# Allegro board 038RT-9068CJK8E-A100_0921_1.brd (continued)
## Routing (per net, layer and track width the routed paths; a pad name or vN(x,y) marks a point on that pad's centre or on a via; arc(x,y) is an arc through that point) (continued)
SLOT0.CH75: length 119.7
  L21_SIGNAL w0.102: v1(283.7,266.22) 283.3,266.62 276.81,266.62
  L21_SIGNAL w0.105: 276.81,266.62 270.19,266.62 267.32,269.49 267.32,270.13 263.51,273.94 263.51,288.16 265.41,290.07 265.41,358.14 271.04,363.77 SLOT0-UP.E19
SLOT0.CH76: length 90.9
  L21_SIGNAL w0.105: SLOT0-UP.D19 277.97,363.73 283.83,363.73 286.5,361.06 286.5,323.09 284.21,320.8 284.21,283.57 v1(284.94,282.84)
  BOTTOM w0.115: v1(284.94,282.84) UNK2RR931.2
SLOT0.CH77: length 114.9
  L21_SIGNAL w0.102: v1(283.7,267.02) 283.3,267.42 276.81,267.42
  L21_SIGNAL w0.105: SLOT0-UP.F19 270.24,360.71 270.24,360.05 266.94,356.74 266.94,290.45 263.89,287.4 263.89,274.07 267.45,270.51 269.22,270.51 272.31,267.42 276.81,267.42
SLOT0.CH79: length 89.9
  L21_SIGNAL w0.105: v1(282.91,279.03) 283.7,279.82 283.7,321.01 285.86,323.17 285.86,357.12 283.45,359.54 277.78,359.54 SLOT0-UP.D17
  BOTTOM w0.115: v1(282.91,279.03) UNK2RR932.2
SLOT0.CH80: length 80.8
  L21_SIGNAL w0.105: v1(274.78,282.84) 274.18,283.44 274.18,285.03 268.59,290.62 268.59,356.11 271.25,358.77 SLOT0-UP.F17
  BOTTOM w0.115: v1(274.78,282.84) UNK2RR534.2
SLOT0.CH81: length 84.2
  L21_SIGNAL w0.105: v1(274.78,279.03) 275.57,279.82 275.57,285.61 269.1,292.09 269.1,354.71 270.15,355.77 SLOT0-UP.E15
  BOTTOM w0.115: v1(274.78,279.03) UNK2RR535.2
SLOT0.CH82: length 81.9
  L21_SIGNAL w0.105: v1(282.91,282.84) 282.3,283.44 282.3,321.59 285.23,324.51 285.23,353.57 283.32,355.47 277.72,355.47 SLOT0-UP.D15
  BOTTOM w0.115: v1(282.91,282.84) UNK2RR934.2
SLOT0.CH83: length 77.1
  L21_SIGNAL w0.105: v1(276.81,282.84) 276.21,283.44 276.21,285.88 269.6,292.48 269.6,353.69 270.68,354.77 SLOT0-UP.F15
  BOTTOM w0.115: v1(276.81,282.84) UNK2RR933.2
SLOT0.CH84: length 75.4
  L21_SIGNAL w0.105: v1(278.85,282.84) 278.24,283.44 278.24,285.75 270.62,293.37 270.62,350.9 271.49,351.77 SLOT0-UP.E13
  BOTTOM w0.115: v1(278.85,282.84) UNK2RR530.2
SLOT0.CH85: length 85.1
  L21_SIGNAL w0.105: SLOT0-UP.D13 274.65,352.68 274.05,352.68 273.16,353.57 271.64,353.57 270.11,352.04 270.11,292.98 277.61,285.49 277.61,279.82 v1(276.81,279.03)
  BOTTOM w0.115: v1(276.81,279.03) UNK2RR531.2
SLOT0.CH86: length 497.8
  L44_SIGNAL w0.105: v1(539.66,223.4) 540.5,224.23 540.5,229.11 542.4,231.01 542.4,280.16 540.24,282.32 540.24,322.48 550.49,332.74 550.49,381.63 532.08,400.04 300.63,400.04 291.99,391.4 291.99,354.53 288.95,351.49 275.25,351.49 274.54,350.77 SLOT0-UP.F13
  BOTTOM w0.115: UNK1R327.1 538.49,220.72 539.66,221.9 v1(539.66,223.4)
SLOT0.CH87: length 492.2
  L44_SIGNAL w0.105: v1(539.66,224.93) 538.72,225.87 538.72,244.22 541.95,247.46 541.95,279.5 538.92,282.53 538.92,323.28 548.28,332.65 548.28,380.7 530.09,398.89 302.51,398.89 293.07,389.46 293.07,354.1 288.48,349.51 275.76,349.51 SLOT0-UP.E11
  BOTTOM w0.115: UNK1R328.1 539.12,227.6 539.66,227.06 v1(539.66,224.93)
SLOT0.CH88: length 602
  L44_SIGNAL w0.105: SLOT0-UP.F11 274.92,346.77 275.64,347.49 288.63,347.49 294.09,352.95 294.09,388.69 302.22,396.82 458.62,396.82 462.65,392.79 462.65,326.42 461.53,325.3 426.95,325.3 424.15,328.09 424.15,358.27 422.98,359.45 415.47,359.45 414.83,358.81 412.91,358.81 412.05,359.66 404.83,359.66 397.7,352.53 397.7,331.26 392.65,326.21 385.09,326.21 360.16,301.28 326.27,301.28 322.4,297.4 322.4,270.65 321.65,269.9 321.65,235.05 332.79,223.9 340.94,223.9 v1(343.73,221.11)
SLOT0.CH89: length 603.8
  L44_SIGNAL w0.105: v1(343.73,210.11) 340.86,212.98 337.3,212.98 332.34,217.93 332.34,223.11 321.03,234.42 321.03,297.76 325.46,302.2 359.09,302.2 384.5,327.62 392.06,327.62 396.29,331.84 396.29,353.11 404.95,361.77 412.11,361.77 413.07,360.81 415.1,360.81 415.82,361.53 422.84,361.53 425.48,358.9 425.48,331.51 427.18,329.8 437.03,329.8 438,328.83 439.21,328.83 440.41,327.63 448.22,327.63 449.85,326 459.2,326 460.07,326.87 460.07,391.96 456.58,395.45 302.84,395.45 295.16,387.77 295.16,352.16 288.49,345.5 275.75,345.5 SLOT0-UP.E9
SLOT0.CH90: length 68.2
  L21_SIGNAL w0.105: v1(278.85,279.03) 279.64,279.82 279.64,285.5 271.13,294 271.13,341.6 SLOT0-UP.F9
  BOTTOM w0.115: v1(278.85,279.03) UNK2RR533.2
SLOT0.CH91: length 119.5
  L19_SIGNAL w0.102: 283.3,259.33 283.3,263.42 v1(283.7,263.82)
  L19_SIGNAL w0.105: 283.3,259.33 283.3,257.68 281.39,255.78 268.59,255.78 262.24,262.13 262.24,327.15 261.1,328.3 261.1,335.79 265.07,339.77 SLOT0-UP.E7
SLOT0.CH92: length 112.1
  L19_SIGNAL w0.102: v1(282.9,263.82) 282.5,263.42 282.5,259.33
  L19_SIGNAL w0.105: 282.5,259.33 282.5,258.01 281.91,257.43 268.84,257.43 262.87,263.4 262.87,327.28 261.98,328.17 261.98,334.9 265.85,338.77 SLOT0-UP.F7
SLOT0.CH93: length 77.5
  L19_SIGNAL w0.102: SLOT0-UP.E5 275.75,334.04 275.75,267.92 277.85,265.82 282.4,265.82 282.5,265.72 282.5,265.02 v1(282.9,264.62)
SLOT0.CH94: length 97.1
  L19_SIGNAL w0.102: v1(281.3,263.82) 280.9,264.22 276.81,264.22
  L19_SIGNAL w0.105: SLOT0-UP.F5 271.4,335.66 264.27,335.66 263,334.39 263,327.91 263.64,327.28 263.64,266.45 265.86,264.22 276.81,264.22
SLOT0.CH95: length 72.6
  L19_SIGNAL w0.102: 276.81,265.72 277.51,265.02 280.9,265.02 v1(281.3,264.62)
  L19_SIGNAL w0.105: 276.81,265.72 274.81,267.72 274.81,272.29 275.32,272.8 275.32,330.47 SLOT0-UP.E3
SLOT0.CH96: length 80.5
  L21_SIGNAL w0.102: v1(291.7,208.62) 292.1,209.02 294.32,209.02 295.45,207.89 295.45,195.31 296.12,194.64 296.12,190.51 296.92,189.71 296.92,170.76 275.4,149.24 275.4,143.21 SLOT0-DOWN.E25
SLOT0.CH97: length 95.4
  L21_SIGNAL w0.102: 285.72,213.84 v1(285.3,213.42)
  L21_SIGNAL w0.105: 285.72,213.84 285.96,214.08 293.56,214.08 295.97,211.67 295.97,195.53 296.64,194.86 296.64,190.73 297.44,189.93 297.44,170.55 277.82,150.93 277.82,139.65 SLOT0-DOWN.D24
  BOTTOM w0.115: R110.1 v1(285.3,213.42)
SLOT0.CH98: length 76.7
  L21_SIGNAL w0.102: SLOT0-DOWN.F24 271.59,139.54 271.59,155.89 279.5,163.8 279.5,173.42 286.95,180.87 286.95,183.27 294.03,190.35 294.03,194.97 294.89,195.83 294.89,202.69 294.16,203.42 292.9,203.42 v1(292.5,203.02)
SLOT0.CH99: length 77.7
  L21_SIGNAL w0.102: v1(291.7,200.62) 292.1,201.02 293.64,201.02 294.43,200.23 294.43,196.02 293.57,195.16 293.57,190.68 285.56,182.66 285.56,180.8 279.03,174.27 279.03,163.96 271.19,156.12 271.19,138.52 271.88,137.84 SLOT0-DOWN.E23
SLOT0.CH100: length 122.7
  L21_SIGNAL w0.105: v1(278.85,219.03) 281.78,216.09 293.79,216.09 299.48,210.4 299.48,198.54 308.39,189.63 308.39,172.92 288.44,152.97 288.44,137.95 284.04,133.55 277.84,133.55 SLOT0-DOWN.D22
  BOTTOM w0.115: v1(278.85,219.03) RR533.2
SLOT0.CH101: length 82.4
  L21_SIGNAL w0.102: v1(283.7,204.62) 284.1,205.02 286.33,205.02 286.5,204.85 286.5,198.33
  L21_SIGNAL w0.105: 286.5,198.33 286.5,196.94 289.11,194.32 289.11,186.96 285.1,182.94 285.1,181.31 278.47,174.68 278.47,163.97 270.76,156.26 270.76,136.37 SLOT0-DOWN.F22
SLOT0.CH102: length 434.5
  L34_SIGNAL w0.105: UNK3K181.4 504.34,274.57 500.74,274.57 499.98,273.81 499.98,257.43 502.27,255.14 502.27,241.27 499.98,238.98 499.98,214.93 487.4,202.35 487.4,169.31 476.58,158.49 476.58,95.87 472.41,91.7 297.45,91.7 290.18,98.97 290.18,127 283.34,133.84 SLOT0-DOWN.E21
SLOT0.CH103: length 405.6
  L32_SIGNAL w0.105: SLOT0-DOWN.D20 277.6,129.79 284.72,129.79 288.4,126.11 288.4,100.97 297.92,91.45 498.19,91.45 509.38,102.64 509.38,199.52 500.11,208.79 500.11,229.49 501.25,230.63 504.53,230.63 UNK1K181.4
SLOT0.CH104: length 201.1
  L34_SIGNAL w0.105: UNK2K181.4 184.37,228.58 181.72,225.93 181.72,176.15 193.79,164.08 249.79,164.08 266.3,147.57 266.3,136.83 SLOT0-DOWN.F20
SLOT0.CH105: length 160.8
  L32_SIGNAL w0.105: K181.4 186.65,173.88 205.72,154.81 268.08,154.81 270.24,152.65 270.24,130.94 271.34,129.84 SLOT0-DOWN.E19
SLOT0.CH106: length 138.2
  L21_SIGNAL w0.105: SLOT0-DOWN.D18 277.78,127.61 286.85,127.61 290.22,130.97 290.22,152.73 309.81,172.33 309.81,190.21 302.18,197.84 302.18,209.77 290.24,221.7 275.91,221.7 v1(274.78,222.84)
  BOTTOM w0.115: v1(274.78,222.84) RR534.2
SLOT0.CH107: length 85.9
  L21_SIGNAL w0.102: v1(284.5,203.82) 285.7,202.62 285.7,198.33 285.7,198.33 285.7,196.62 287.19,195.12 287.19,189.69 284.24,186.73 284.24,181 278.13,174.89 278.13,164.25 270.33,156.45 270.33,128.8 SLOT0-DOWN.F18
SLOT0.CH108: length 86
  L21_SIGNAL w0.102: v1(284.5,202.22) 284.9,201.82 284.9,198.6 284.9,198.6
  L21_SIGNAL w0.105: 284.9,198.6 284.9,195.43 282.9,193.43 282.9,180.33 277.81,175.23 277.81,164.57 277.7,164.47 277.69,164.47 269.78,156.55 269.78,127.64 271.58,125.84 SLOT0-DOWN.E17
SLOT0.CH109: length 148.2
  L21_SIGNAL w0.105: SLOT0-DOWN.D16 278.05,121.35 290.37,121.35 292.68,123.66 292.68,152.2 311.96,171.48 311.96,191.08 307.45,195.59 307.45,212.34 295.41,224.38 282.43,224.38 v1(280.88,222.84)
  BOTTOM w0.115: v1(280.88,222.84) RR532.2
SLOT0.CH110: length 87
  L21_SIGNAL w0.102: 283.3,198.6 283.3,198.6 283.3,201.82 v1(282.9,202.22)
  L21_SIGNAL w0.105: SLOT0-DOWN.F16 268.77,126.36 268.77,156.71 275.18,163.12 275.18,183.49 278.67,186.98 278.67,191.94 283.3,196.56 283.3,198.6
SLOT0.CH111: length 89
  L21_SIGNAL w0.102: 284.1,198.6 284.1,198.6 284.1,201.82 v1(283.7,202.22)
  L21_SIGNAL w0.105: SLOT0-DOWN.E15 273.22,122.63 273.22,123.38 272.79,123.81 272.18,123.81 269.26,126.73 269.26,156.64 277.22,164.6 277.22,184.35 280.81,187.93 280.81,192.79 284.1,196.08 284.1,198.6
SLOT0.CH112: length 118.6
  L21_SIGNAL w0.105: v1(310.59,206.53) 312.01,205.1 315.2,205.1 316.21,204.09 316.21,172.87 294.84,151.5 294.84,121.08 291.16,117.4 278,117.4 SLOT0-DOWN.D14
SLOT0.CH113: length 110.1
  L21_SIGNAL w0.102: 276.86,205.82 283.3,205.82 v1(283.7,205.42)
  L21_SIGNAL w0.105: SLOT0-DOWN.F14 270.67,118.84 266.63,122.87 266.63,173.3 262.25,177.68 262.25,197.28 264.91,199.93 264.91,201.73 266.29,203.11 268.09,203.11 271.16,206.18 275.17,206.18 275.53,205.82 276.86,205.82
SLOT0.CH114: length 105.7
  L21_SIGNAL w0.102: v1(280.5,204.62) 280.1,205.02 277.36,205.02 277.36,205.02 276.86,205.02
  L21_SIGNAL w0.105: SLOT0-DOWN.E13 273.31,118.55 273.31,119.29 272.79,119.81 271.47,119.81 267.83,123.46 267.83,173.24 263.38,177.69 263.38,197.27 266.95,200.84 266.95,201.79 267.74,202.58 268.69,202.58 271.13,205.02 276.86,205.02
SLOT0.CH115: length 109.3
  L21_SIGNAL w0.102: 276.86,204.21 277.68,204.21 277.69,204.22 280.1,204.22 v1(280.5,203.82)
  L21_SIGNAL w0.105: SLOT0-DOWN.D12 275.55,115.85 275.55,120.19 274.91,120.83 273.57,120.83 272.75,121.64 270.61,121.64 268.27,123.98 268.27,173.93 263.9,178.3 263.9,196.66 271.46,204.21 276.86,204.21
SLOT0.CH116: length 118.8
  L21_SIGNAL w0.102: v1(283.7,207.02) 283.3,207.42 277.36,207.42 277.35,207.43 276.86,207.43
  L21_SIGNAL w0.105: 276.86,207.43 270.13,207.43 269.23,206.53 265.2,206.53 263.39,204.72 263.39,200.69 260.09,197.39 260.09,177.57 265.92,171.74 265.92,119.74 270.82,114.84 SLOT0-DOWN.F12
SLOT0.CH117: length 117.8
  L21_SIGNAL w0.102: v1(283.7,206.22) 283.3,206.62 277.03,206.62 277.02,206.62 276.86,206.62
  L21_SIGNAL w0.105: 276.86,206.62 270.46,206.62 268.42,204.58 265.26,204.58 264.11,203.43 264.11,200.27 261.69,197.85 261.69,177.1 266.24,172.56 266.24,122.38 270.7,117.92 272.51,117.92 273.11,117.32 273.11,114.75 SLOT0-DOWN.E11
SLOT0.CH118: length 400.9
  L34_SIGNAL w0.105: UNK3K231.5 504.81,265.63 504.81,259.59 506.46,257.94 506.46,234.44 504.81,232.79 504.81,214.93 488.32,198.44 488.32,166.87 478.31,156.86 478.31,95.97 472.99,90.65 293.16,90.65 286.24,97.57 286.24,106.81 283.32,109.73 277.67,109.73 SLOT0-DOWN.D10
SLOT0.CH119: length 380.4
  L32_SIGNAL w0.105: UNK1K231.5 504.81,221.51 504.81,208.41 512.43,200.79 512.43,103.18 499.54,90.29 296.69,90.29 284.72,102.26 284.72,108.2 283.19,109.73 275.83,109.73 274.72,110.84 SLOT0-DOWN.F10
SLOT0.CH120: length 245.7
  L34_SIGNAL w0.105: SLOT0-DOWN.E9 265.05,109.84 262.62,112.27 262.62,148.46 248.9,162.18 189.85,162.18 176.89,175.13 176.89,237.11 178.93,239.14 178.93,268.73 180.08,269.89 UNK2K231.5
SLOT0.CH121: length 197
  L32_SIGNAL w0.105: K231.5 182.44,225.76 181.47,224.79 181.47,174.24 204.96,150.75 266.18,150.75 268.21,148.72 268.21,110.92 SLOT0-DOWN.F8
SLOT0.CH122: length 143.7
  L21_SIGNAL w0.105: K223.3 250.68,223.9 245.98,223.9 244.59,222.5 244.59,184.66 248.94,180.3 251.77,180.3 262.76,169.32 262.76,109.69 264.35,108.1 272.44,108.1 273.22,107.31 273.22,106.63 SLOT0-DOWN.E7
SLOT0.CH123: length 132.6
  L21_SIGNAL w0.105: v1(223.73,203) 223.73,200.11 225.32,198.53 230.62,198.53 238.07,191.07 238.07,181.71 242.02,177.76 250.3,177.76 261.3,166.76 261.3,106.38 264.84,102.84 SLOT0-DOWN.F6
SLOT0.CH124: length 202.3
  L21_SIGNAL w0.105: SLOT0-DOWN.E5 273.38,102.48 273.06,102.48 272.69,102.11 264.18,102.11 262.1,104.19 262.09,104.19 260.8,105.48 260.8,166.13 250.29,176.64 217.79,176.64 197.34,197.09 197.34,229.39 K10.5
  BOTTOM w0.115: CD177.1 K10.5
SLOT0.CH125: length 202.1
  L21_SIGNAL w0.105: K9.8 192.13,239.83 192.13,197.99 215.72,174.41 248.73,174.41 259.25,163.88 259.25,102.82 263.24,98.84 SLOT0-DOWN.F4
  BOTTOM w0.115: UNK2CD176.1 K9.8
SLOT0.CH126: length 586.7
  L44_SIGNAL w0.105: SLOT0-DOWN.E3 264.67,97.84 261.5,101.01 261.5,145.03 273.91,157.44 324.88,157.44 326.51,159.07 326.51,162.08 325.02,163.57 166.48,163.57 165.16,164.89 165.16,166.13 166.21,167.18 294,167.18 294.7,167.88 294.7,168.81 294.04,169.47 159.65,169.47 145.99,183.13 144.64,183.13 144.26,183.51 144.26,184.7 v2(143.59,185.37)
  BOTTOM w0.115: R347.2 v2(143.59,185.37)
SLOT0.CH127: length 196.8
  L44_SIGNAL w0.105: SLOT0-DOWN.F2 270.39,96.74 264.88,96.74 260.02,101.61 260.02,148.03 253.36,154.69 171.69,154.69 142.99,183.39 142.99,184.7 v2(142.32,185.37)
  BOTTOM w0.115: R348.2 v2(142.32,185.37)
SLOT0.DGS0: length 0.5
  TOP w0.254: STB00.1 280.78,142.62 SLOT0-DOWN.B26
SLOT0.DGS64: length 0.5
  TOP w0.254: STB64.1 280.78,334.55 SLOT0-UP.B5
SLOT0.UB0: length 939.2
  L24_RLY w0.203: K182.8 178.5,235.66 178.22,235.94 178.22,254.36 176.7,255.87 176.7,258.48 176.91,258.69 177.24,258.69 178.05,259.5 178.05,274.26 UNK2K182.8 ; UNK3K182.8 511.42,257.88 511.42,239.15 510.73,238.46 510.73,219.66 514.03,216.36 UNK1K182.8
  L36_SIGNAL w0.203: K182.8 185.3,225.17 185.3,208.94 179.56,203.2 179.56,153.03 185.3,147.3 185.3,91.42 198.61,78.1 274.64,78.1 282.79,86.25 SLOT0-DOWN.A1
  L38_SIGNAL w0.203: UNK3K182.8 511.01,263.5 511.01,277.14 516.34,282.48 516.34,375.65 492.58,399.41 187.82,399.41 178.93,390.52 178.93,300.36 176.21,297.64 UNK2K182.8
SLOT0.UB1: length 928.1
  L24_RLY w0.203: UNK2K181.8 190.79,262.5 190.79,259.23 191.73,258.29 191.73,239.1 192.29,238.54 192.29,221.67 194.25,219.7 K181.8 ; UNK3K181.8 499.55,271.61 499.55,266.47 496.74,263.66 496.74,231.89 498.27,230.37 UNK1K181.8
  L36_SIGNAL w0.203: K181.8 195.84,217.97 195.84,209.95 181.47,195.58 181.47,153.67 187.95,147.19 187.95,91.31 199.88,79.38 274.44,79.38 281.63,86.57 281.63,93.77 SLOT0-DOWN.B2
  L38_SIGNAL w0.203: UNK3K181.8 496.55,274.61 496.55,295.38 508.13,306.96 508.13,380.53 490.52,398.14 188.45,398.14 180.2,389.89 180.2,318.13 195.44,302.89 195.44,293.5 189.21,287.27 189.21,280.92 190.03,280.11 190.03,265.62 UNK2K181.8
SLOT0.UB2: length 900.9
  L24_RLY w0.203: UNK2K183.8 194.17,273.9 194.17,257.38 194.83,256.72 194.83,232.54 K183.8 ; UNK1K183.8 498.27,217.87 499.32,218.92 499.32,237.95 497.91,239.36 497.91,254.48 498.76,255.33 498.76,259.99 UNK3K183.8
  L36_SIGNAL w0.203: SLOT0-DOWN.C1 278.79,87.97 274,83.19 218.93,83.19 209.47,92.65 209.47,158.17 217.03,165.74 217.03,184.15 199.87,201.31 199.87,226.36 K183.8
  L38_SIGNAL w0.203: UNK3K183.8 494.73,264.02 494.73,297.59 504.87,307.74 504.87,379.01 488.33,395.55 189.67,395.55 182.74,388.62 182.74,319.4 197.98,304.16 197.98,281.3 192.77,276.1 UNK2K183.8
SLOT0.UB3: length 935.7
  L24_RLY w0.203: UNK3K231.8 496,264.42 496,224.82 498.25,222.56 UNK1K231.8 ; UNK2K231.8 193.48,268.38 193.48,257.12 194.12,256.49 194.12,233.83 193.15,232.87 193.15,226.87 K231.8
  L36_SIGNAL w0.203: K231.8 197.1,222.92 197.1,202.17 215.76,183.51 215.76,169.22 190.24,143.7 190.24,91.56 201.15,80.65 273.66,80.65 279.84,86.83 279.84,95.55 SLOT0-DOWN.C3
  L38_SIGNAL w0.203: UNK3K231.8 495.61,269.34 495.61,296.7 506.41,307.5 506.41,379.56 489.1,396.88 189.09,396.88 181.47,389.25 181.47,318.77 196.71,303.53 196.71,281.81 195.31,280.42 193.79,280.42 190.74,277.37 190.74,271.12 UNK2K231.8
SLOT0.UB4: length 608.2
  L24_RLY w0.203: SLOT0-DOWN.D1 268.02,83.84 260.46,83.84 248.73,72.12 158.43,72.12 150.15,63.83 150.15,36.96 K82.12 144.64,31.46 144.64,14.22 149.34,9.53 365.87,9.53 367.27,10.92 389.24,10.92 390.64,9.53 539.35,9.53 540.24,10.41 540.24,25.26 UNK1K82.12
SLOT0.UB5: length 882.6
  L24_RLY w0.203: K180.8 214.46,224 214.46,256.95 UNK2K180.8 ; UNK3K180.8 481.08,271.47 481.08,230.06 482.36,228.77 UNK1K180.8
  L36_SIGNAL w0.203: K180.8 212.15,217.42 212.15,191.57 218.93,184.78 218.93,165.46 210.95,157.48 210.95,93.07 219.57,84.46 273.15,84.46 277.76,89.06 277.76,93.64 SLOT0-DOWN.D2
  L38_SIGNAL w0.203: UNK2K180.8 204.33,267.08 204.33,288.29 199.25,293.37 199.25,304.8 184.01,320.04 184.01,387.98 190.36,394.34 487.07,394.34 503.41,378 503.41,313.51 484.37,294.47 484.37,274.76 UNK3K180.8
SLOT0.UB6: length 173.7
  L36_SIGNAL w0.203: v1(233.55,182.59) 233.55,177.18 212.76,156.39 212.76,93.8 220.84,85.72 270.6,85.72 275.61,90.74 275.61,95.44 SLOT0-DOWN.D3
  BOTTOM w0.254: R590.1 233.76,182.38 v1(233.55,182.59)
SLOT0.UB7: length 190.1
  L36_SIGNAL w0.203: v1(255.76,182.59) 255.76,176.53 246.87,167.64 228.46,167.64 216.09,155.27 216.09,92.77 221.86,87 270.05,87 274.74,91.68 274.74,96.57 SLOT0-DOWN.D4
  BOTTOM w0.254: R588.1 256.47,181.88 v1(255.76,182.59)
SLOT0.UB8: length 98.2
  L24_RLY w0.203: v1(221.71,191.78) 220.34,190.41 220.34,166.87 232.27,154.94 269.1,154.94 275.45,148.59 275.45,143.95 SLOT0-DOWN.D26
  BOTTOM w0.254: RU30.1 220.34,191.17 R591.1 221.1,191.16 v1(221.71,191.78)
SLOT0.UB9: length 1588.1
  L24_RLY w0.203: K7.12 149.29,17.06 155.68,10.67 365.11,10.67 367.52,13.08 388.86,13.08 391.27,10.67 536.79,10.67 UNK1K7.12 523.61,25.73 523.61,42.79 521.7,44.7 521.7,58.8 528.43,65.53 550.53,65.53 555.99,70.99 555.99,186.11 555.22,186.88 555.22,197.27 555.99,198.04 555.99,208.71 556.62,209.35 556.62,219.1 555.99,219.74 555.99,230.38 557.51,231.9 557.51,238.51 558.4,239.4 558.4,244.35 557.46,245.29 557.46,279.83 560.94,283.31 560.94,304.34 557.16,308.13 557.16,412.8 561.13,416.77 561.13,433.06 556.48,437.72 545.11,437.72 543.65,439.17 543.65,444.87 UNK3K7.12 540.33,452.42 525.01,467.74 140.47,467.74 134.89,462.16 134.89,437.6 134.56,437.26
  L36_SIGNAL w0.203: 134.56,437.26 135.26,437.96 148,437.96 150.1,435.86 150.1,423.3 162.86,410.54 275.04,410.54 294.25,391.32 294.25,337.23 285.57,328.54 SLOT0-UP.A2
SLOT0.UB10: length 966.3
  L24_RLY w0.203: UNK2K220.8 250.55,424.14 250.55,388.65 245.63,383.72 245.63,256.49 249.33,252.79 249.33,244.64 251.13,242.84 251.13,234.35 250.55,233.77 250.55,211.79 250,211.24 250,204.32 250.33,204 250.33,200.25 252.31,198.27 252.31,195.63 252.92,195.02 252.92,181.48 287,147.4 287,78.74 276.33,68.06 258.69,68.06 256.02,65.39 256.02,51.84 K220.8
  L36_SIGNAL w0.203: SLOT0-UP.B1 282.21,325.11 285.86,325.11 296.98,336.23 296.98,391.61 275.23,413.36 256.98,413.36 253.45,416.89 253.45,424.09 UNK2K220.8
  L40_SIGNAL w0.203: K220.8 254.56,50.36 256.02,51.82 256.02,61.09 258.68,63.75 432.16,63.75 435.34,60.58 435.34,52 UNK1K220.8
  L44_SIGNAL w0.203: UNK3K220.8 428.47,426.86 425.54,426.86 423.91,425.23 423.91,417.7 421.24,415.04 360.92,415.04 354.15,421.8 333.92,421.8 327.79,415.67 262.87,415.67 261.1,417.45 261.1,424.96 259.19,426.86 253.28,426.86 UNK2K220.8
SLOT0.UB11: length 1653.9
  L24_RLY w0.203: UNK2K6.12 118.32,456.6 122.13,456.6 134.54,469.01 546.46,469.01 565.9,449.58 565.9,438.98 567.72,437.16 UNK3K6.12 572.2,435.22 572.2,420.68 563.1,411.58 563.1,305.82 564.37,304.55 564.37,243.59 558.28,237.49 558.28,231.65 556.75,230.12 556.75,220.27 557.51,219.51 557.51,198.34 555.93,196.76 555.93,187.21 556.75,186.39 556.75,70.61 550.91,64.77 528.94,64.77 522.59,58.42 522.59,45.85 528.02,40.42 528.02,30.62 UNK1K6.12
  L36_SIGNAL w0.203: UNK2K6.12 119.8,453.88 121.88,451.8 121.88,418.87 131.48,409.27 274.54,409.27 292.98,390.82 292.98,338.74 283.94,329.69 279.94,329.69 SLOT0-UP.C2
  L38_SIGNAL w0.203: K6.12 117.99,16.51 516.62,16.51 524.15,24.04 524.15,26.75 UNK1K6.12
SLOT0.UB12: length 980.2
  L24_RLY w0.203: K221.8 249.92,51.95 249.92,62.23 259.06,71.37 274.68,71.37 285.61,82.3 285.61,145.29 249.03,181.86 249.03,197.74 245.09,201.68 245.09,237.87 241.28,241.68 241.28,257.56 244.08,260.35 244.08,384.3 247.13,387.35 247.13,425.96 248.27,427.1 256.52,427.1 258.06,425.56 UNK2K221.8
  L36_SIGNAL w0.203: UNK2K221.8 260.56,423.19 260.56,415.99 262.05,414.51 275.7,414.51 298.12,392.09 298.12,334.31 287.24,323.43 279.9,323.43 SLOT0-UP.D1
  L40_SIGNAL w0.203: UNK1K221.8 430.7,50.36 428.99,52.07 428.99,60.58 427.08,62.48 261.98,62.48 259.95,60.45 259.95,50.29 258.3,48.64 250.04,48.64 K221.8
  L44_SIGNAL w0.203: UNK2K221.8 260.08,423.67 260.08,416.56 261.72,414.92 328.12,414.92 334.25,421.04 354.15,421.04 360.79,414.4 421.5,414.4 424.67,417.58 424.67,422.63 425.8,423.75 434.16,423.75 UNK3K221.8
SLOT1.CH1: length 227.4
  L19_SIGNAL w0.105: SLOT1-UP.A26 421.3,377.43 421.3,380.46 414.82,386.94 333.05,386.94 323.13,377.01 323.13,325.02 332.08,316.07 332.08,266.12 v1(331.16,265.2)
  BOTTOM w0.115: v1(331.16,265.2) 330.51,264.55 MUX11.6
SLOT1.CH2: length 221.3
  L19_SIGNAL w0.105: SLOT1-UP.C26 417.24,377.48 417.24,380.36 412.45,385.15 333.94,385.15 324.5,375.71 324.5,325.14 332.42,317.23 332.42,264.51 v1(331.16,263.25)
  BOTTOM w0.115: MUX11.7 330.51,263.9 v1(331.16,263.25)
SLOT1.CH3: length 155.3
  L21_SIGNAL w0.105: SLOT1-UP.B25 419.06,375.67 414.51,375.67 412.61,377.57 410.57,377.57 398.51,365.51 398.51,313.82 378.95,294.26 357.62,294.26 344.41,281.05 344.41,273.98 v1(343.73,273.31)
SLOT1.CH4: length 504
  L19_SIGNAL w0.105: ATX1.16 17.47,467.44 17.47,474.72 24.33,481.59 ATX_PWCT.1 353.48,481.59 378.52,456.54 378.52,428.79 381.12,426.19 381.12,399.84 389.31,391.65 413.5,391.65 422.99,382.16 422.99,373.34 SLOT1-UP.A24
SLOT1.CH5: length 115.4
  L21_SIGNAL w0.105: UNK3K11.10 372.78,282.63 400.67,310.51 400.67,362.84 411.34,373.51 412.48,373.51 413.37,372.62 414.77,372.62 415.4,373.25 417.47,373.25 SLOT1-UP.C24
SLOT1.CH6: length 602
  L44_SIGNAL w0.105: v1(223.73,281.11) 162.88,281.11 161.09,282.9 161.09,286.93 162.49,288.33 193.25,288.33 195.93,291.02 195.93,298.06 192.9,301.09 175.05,301.09 174.36,301.79 174.36,303.99 175.36,305 277.71,305 298.51,325.8 298.51,387.04 304.52,393.05 454.11,393.05 455.78,391.38 455.78,344.26 452.91,341.39 439.37,341.39 438.87,340.88 437.9,340.88 437.11,341.68 431.77,341.68 429.31,344.14 429.31,367.39 425.18,371.52 421.16,371.52 SLOT1-UP.B23
SLOT1.CH7: length 525.1
  L44_SIGNAL w0.105: v1(150.57,275.26) 150.57,288.22 170.63,308.29 275.95,308.29 295.9,328.23 295.9,387.23 303.26,394.59 456.35,394.59 459.41,391.53 459.41,339.02 457.98,337.58 439.44,337.58 438.61,336.75 437.91,336.75 436.94,337.72 428.95,337.72 426.5,340.16 426.5,364.22 SLOT1-UP.A22
  BOTTOM w0.115: UNK2R327.1 151.75,277.94 150.57,276.76 v1(150.57,275.26)
SLOT1.CH8: length 603.8
  L44_SIGNAL w0.105: SLOT1-UP.C22 419.13,369.49 419.13,372.78 419.87,373.52 425.86,373.52 431.33,368.05 431.33,345.55 433.19,343.69 437.2,343.69 438,342.89 439.01,342.89 439.49,343.38 452.6,343.38 455.36,346.13 455.36,383.23 452.6,385.98 375.69,385.98 374.85,386.82 374.85,388.73 375.52,389.4 452.76,389.4 453.54,390.18 453.54,391.07 452.45,392.17 305.22,392.17 299.75,386.7 299.75,324.45 278.59,303.29 227.89,303.29 226.3,301.7 226.3,281.15 224.43,279.28 224.43,270.8 v1(223.73,270.11)
SLOT1.CH9: length 521.8
  L44_SIGNAL w0.105: SLOT1-UP.B21 421.17,367.53 421.17,368.99 421.74,369.55 423.34,369.55 427.51,365.37 427.51,340.92 428.73,339.71 437.08,339.71 437.77,339.02 439.23,339.02 439.61,339.4 454.15,339.4 457.63,342.88 457.63,391.42 455.33,393.72 304.08,393.72 297.1,386.74 297.1,327.56 276.31,306.76 171.76,306.76 153.15,288.15 153.15,282.19 151.37,280.42 151.37,274.53 v1(150.57,273.73)
  BOTTOM w0.115: v1(150.57,273.73) 150.57,271.6 151.12,271.06 UNK2R328.1
SLOT1.CH10: length 165.9
  L19_SIGNAL w0.1: SLOT1-UP.A20 422.94,364.54 424.31,365.91 424.31,388.77 428.48,392.94 517.25,392.94 537.47,413.15 537.47,428.75 537.37,428.85 UNK3K241.2
SLOT1.CH11: length 171
  L19_SIGNAL w0.1: SLOT1-UP.C20 419,363.73 422.64,363.73 424.67,365.76 424.67,388.62 428.63,392.57 517.41,392.57 537.83,413 537.83,428.75 537.93,428.85 UNK3K241.7
SLOT1.CH12: length 172.5
  L19_SIGNAL w0.1: UNK3K243.2 543.72,428.85 543.82,428.75 543.82,414.93 519.79,390.91 432.92,390.91 425.2,383.18 425.2,364.13 422.77,361.7 421.03,361.7 SLOT1-UP.B19
SLOT1.CH13: length 171.1
  L19_SIGNAL w0.1: UNK3K243.7 544.28,428.85 544.18,428.75 544.18,414.78 519.95,390.54 433.07,390.54 425.56,383.03 425.56,363.92 SLOT1-UP.A18
SLOT1.CH14: length 193.9
  L19_SIGNAL w0.1: SLOT1-UP.C18 419.06,359.66 424.8,359.66 427.48,362.35 427.48,379.12 437.37,389 523.6,389 547.61,413 547.61,433.2 548.5,434.09 551.16,434.09 551.8,433.45 551.8,427.75 551.9,427.65 UNK3K240.2
SLOT1.CH15: length 191.3
  L19_SIGNAL w0.1: UNK3K240.7 551.34,427.65 551.44,427.75 551.44,433.3 551.01,433.72 548.65,433.72 547.97,433.05 547.97,412.85 523.76,388.64 437.52,388.64 427.85,378.97 427.85,362.08 425.05,359.28 420.92,359.28 SLOT1-UP.B17